# Altium PCB PCB1.PcbDoc (part 2 of 3)
Units mm, origin at the board's own origin, x right, y up, seen from the top; angles counter-clockwise.
Board outline 129 x 105 mm, 2 copper layers (Top Layer, Bottom Layer); 225 components, 151 nets, 690 pads, 891 vias.
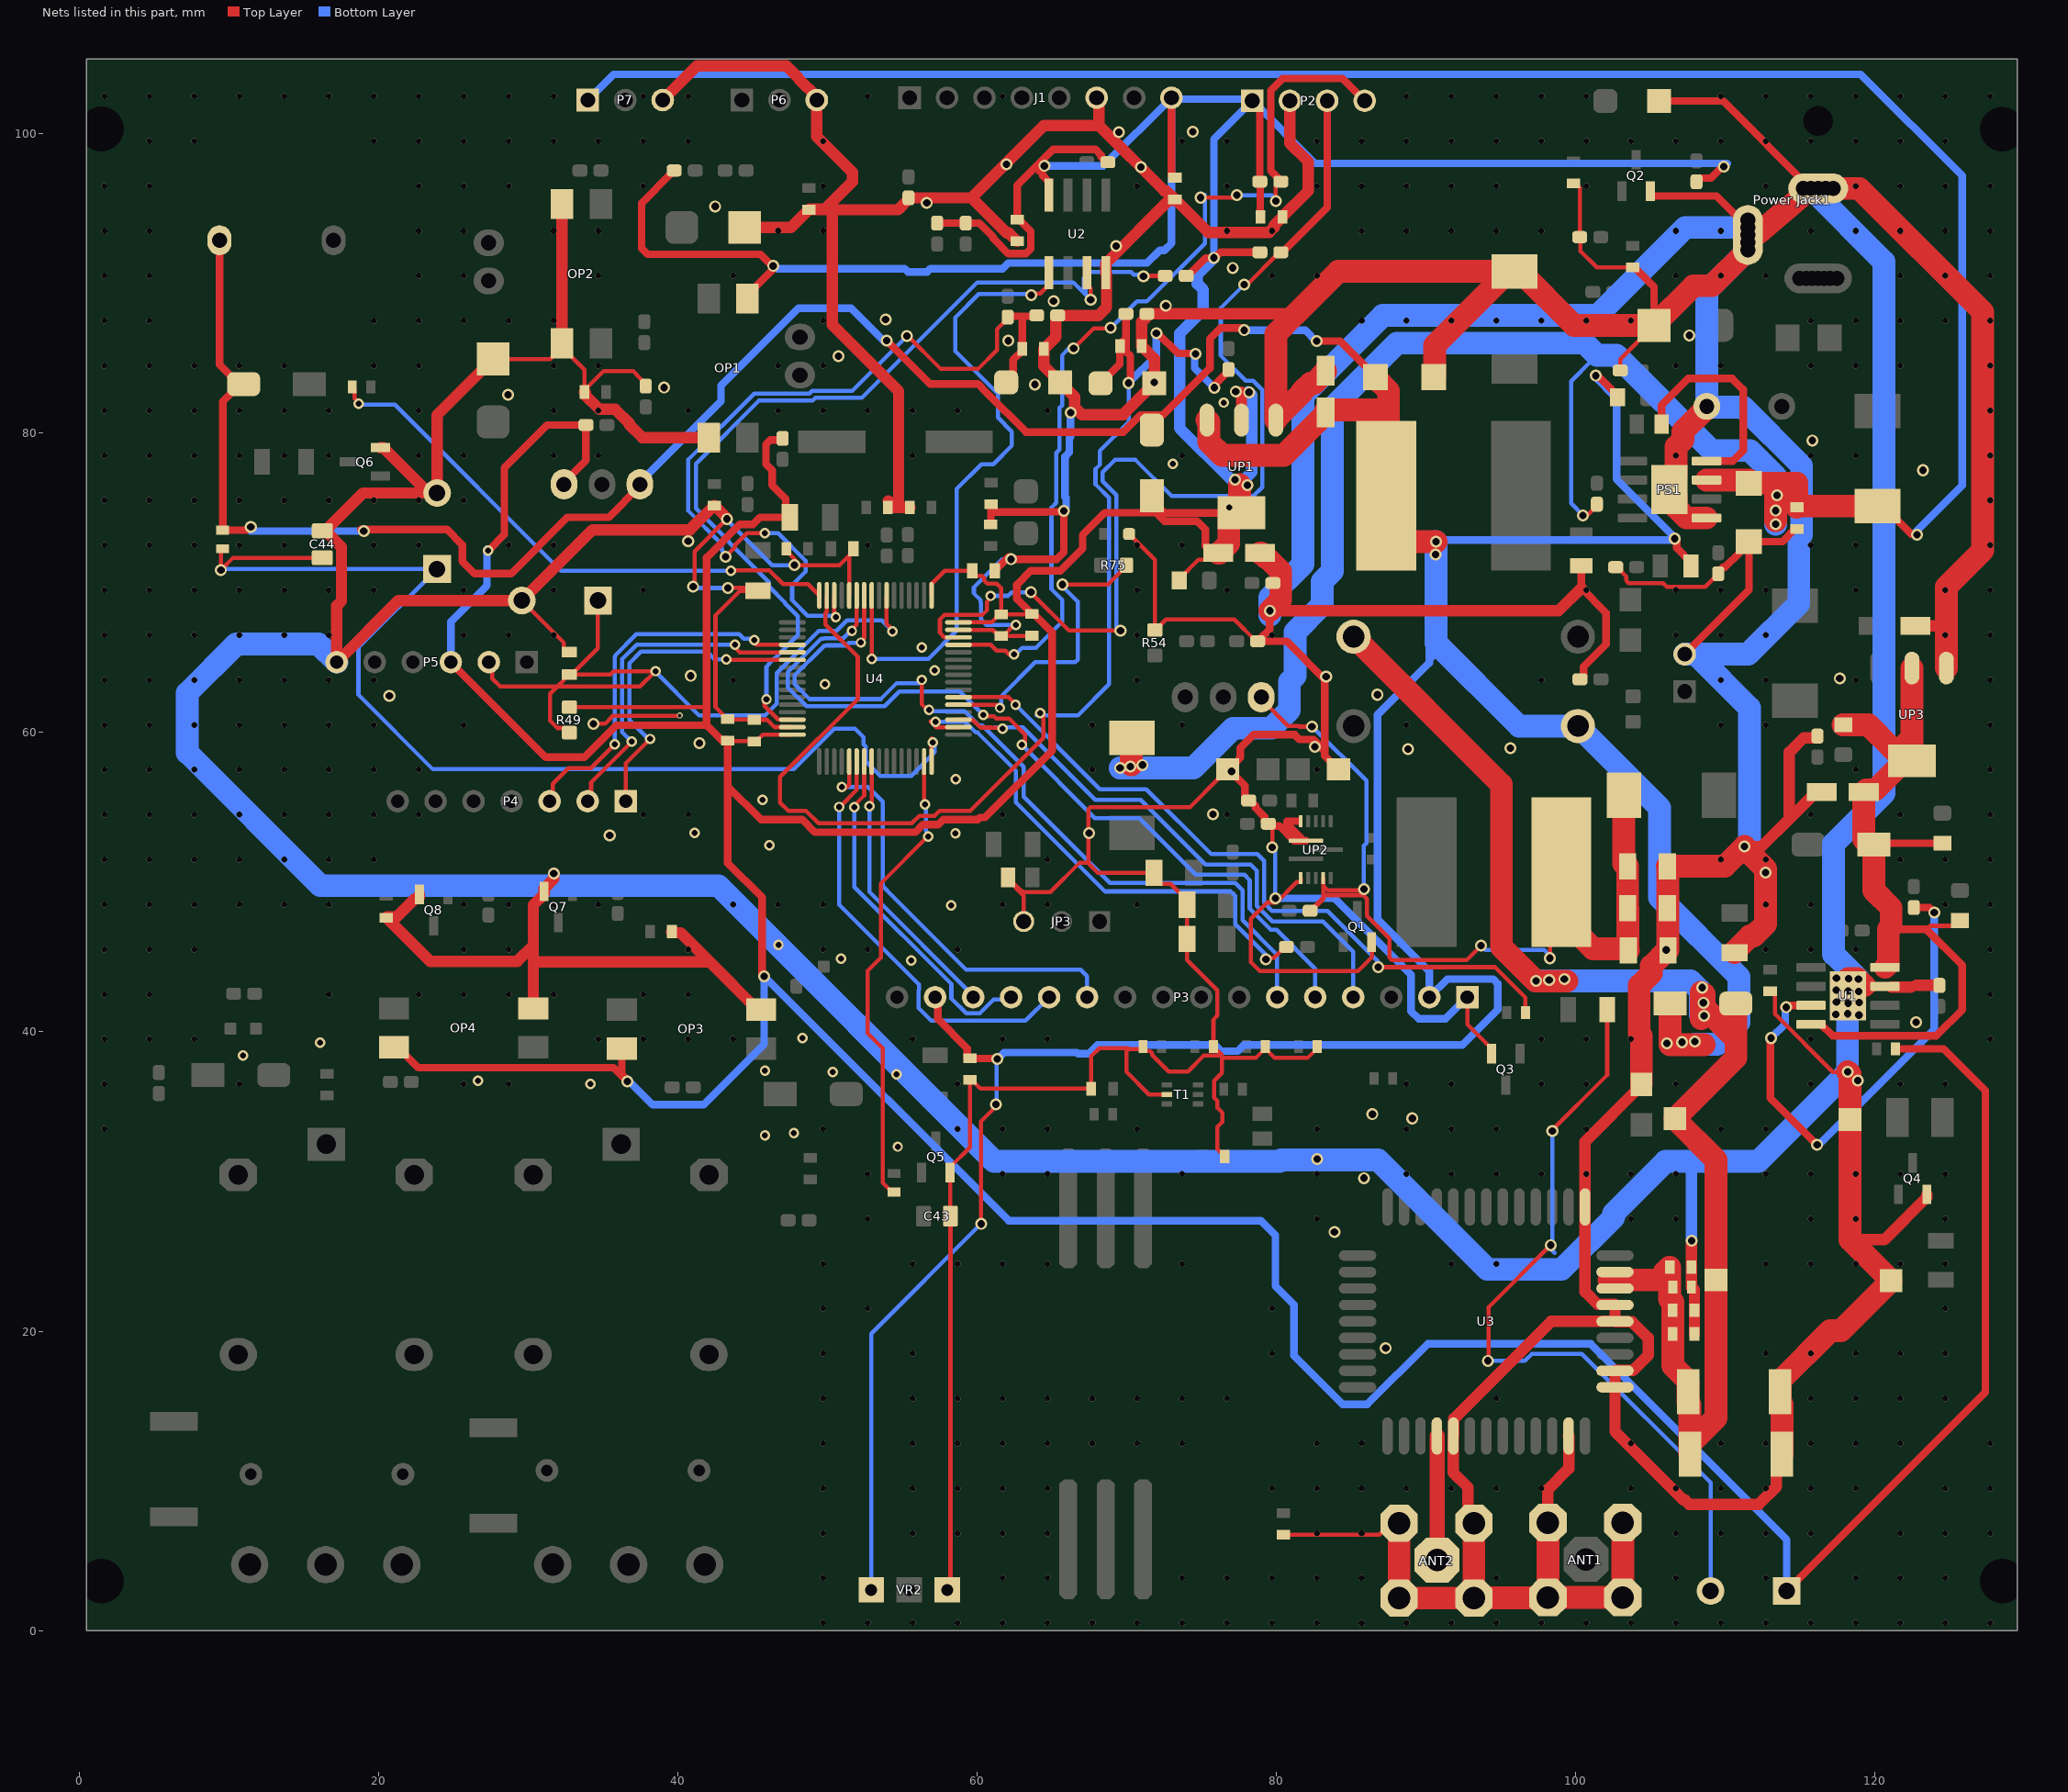
[diagram p2: the nets of this part, all layers, seen from the top]

## Via types
v1: diameter 0.4, hole 0.4, Top Layer to Bottom Layer, tented both sides, 549 vias
v2: diameter 0.8, hole 0.5, Top Layer to Bottom Layer, tented both sides, 237 vias
v3: diameter 0.7, hole 0.4, Top Layer to Bottom Layer, tented both sides, 91 vias
v4: diameter 0.5, hole 0.5, Top Layer to Bottom Layer, tented both sides, 12 vias
v5: diameter 0.4, hole 0.25, Top Layer to Bottom Layer, tented both sides, 1 vias
v6: diameter 0.4, hole 0.3, Top Layer to Bottom Layer, tented both sides, 1 vias

## Nets (pads, with @x,y where several pads share a name; then routed paths per layer and width w, separated by ;. In a path a pad name is that pad's centre, name@x,y a point inside that pad or via, vN(x,y) a via of type N, cw(c..) or ccw(c..) an arc to the next point about the centre after c; other vN are vias at no path point) (continued)
+3V3: B1.1 C7.2 C26.2 C27.2 C28.2 C45.2 C46.2 C47.2 C48.2 C49.2 D1.1 D2.1 J1.8 JP5.2 L3.2 OP1.1 OP3.4 OP4.4 P2.1 P5.3 R19.1 R27.2 R28.2 R29.1 R30.2 R32.1 R33.1 R34.2 R49.2 R57.2 R59.2 R61.2 U2.8 U4.1 U4.32 U4.64 UP1.2 UP1.4 | length 549.2
  Top Layer w0.279: R49.2@32.766,61.683 41.896,61.683 41.935,61.722 ; C47.2@43.332,59.448 43.358,59.422 45.085,59.422 C46.2@45.11,59.397 45.235,59.397 45.69,59.852 U4.32@47.663,59.852 ; U4.1@56.963,69.152 56.963,69.902 57.851,70.79 C45.2@59.677,70.79 59.677,70.679 59.887,70.469 60.323,70.469 60.487,70.305 60.487,70.149 60.686,69.95 61.317,69.95 61.62,69.647 C48.2@61.62,67.883 ; U4.64@58.763,67.352 60.964,67.352 61.495,67.883 C48.2@61.62,67.883 ; C49.2@63.803,67.908 C49.2@63.678,67.908 63.665,67.895 61.633,67.895 C48.2@61.62,67.883 ; D1.1@73.524,70.155 73.524,70.255 74.792,71.523 75.66,71.523 C7.2@76.121,71.984 75.721,71.984 C7.2@75.26,72.444 ; P2.1@78.4,102.2 P2.1@78.904,101.696 ; R30.2@78.904,96.799 R30.2@78.929,96.774 ; C26.2@78.929,94.462 C26.2@78.954,94.437
  Top Layer w0.508: OP4.4@21.055,38.959 21.305,38.959 22.665,37.599 35.726,37.599 v2(36.646,36.679) 36.646,36.758 36.269,37.134 OP3.4@36.269,38.883 ; P5.3@24.841,64.694 31.191,58.344 33.757,58.344 35.89,60.477 41.935,60.477 ; v3(27.338,72.136) 28.423,73.22 28.423,77.673 31.288,80.539 R61.2@33.873,80.539 33.873,78.171 32.403,76.701 JP5.2@32.403,76.574 ; R59.2@39.773,97.539 39.673,97.539 39.527,97.393 39.527,97.293 37.592,95.358 37.592,92.329 37.984,91.937 45.528,91.937 46.302,91.163 v2(46.381,91.163) ; OP1.1@44.177,88.493 44.425,88.741 44.425,88.991 46.325,90.892 v2@46.325,91.107 ; v2@45.644,43.84 45.644,48.971 43.332,51.283 43.332,56.413 ; R57.2@47.015,79.643 46.918,79.546 46.195,79.546 45.898,79.248 45.898,77.931 46.307,77.521 46.307,76.527 47.223,75.612 47.223,74.643 L3.2@47.494,74.371 45.517,74.371 45.044,73.898 44.152,73.898 41.935,71.682 41.935,61.722 41.935,60.477 ; R27.2@57.342,94.026 R28.2@59.25,94.026 60.148,94.026 61.099,93.075 61.099,92.986 62.106,91.979 63.27,91.979 63.592,92.301 63.592,93.485 62.813,94.264 C28.2@62.688,94.264 62.688,96.546 65.091,98.949 67.913,98.949 68.296,98.566 68.296,98.441 68.642,98.095 R33.1@68.742,98.095 ; C49.2@63.678,67.908 62.662,68.924 62.662,69.875 63.591,70.805 65.583,70.805 67.065,72.287 67.065,73.194 68.548,74.676 71.958,74.676 72.517,74.117 74.701,74.117 75.26,73.558 C7.2@75.26,72.444 ; C49.2@63.803,67.908 65.024,66.687 65.024,58.801 60.534,54.311 60.201,54.311 60.068,54.178 57.76,54.178 57.422,53.841 56.397,53.841 55.892,53.336 49.16,53.336 48.317,54.178 45.568,54.178 43.332,56.413 ; 64.163,97.508 64.414,97.257 64.414,97.176 64.76,96.831 64.76,95.95 U2.8@64.806,95.904 ; D2.1@71.679,75.803 71.679,75.503 72.517,74.665 77.169,74.665 UP1.4@77.669,74.665 ; J1.8@73,102.4 73,97.166 73.103,97.063 C27.2@73.228,97.063 ; R32.1@73.979,90.5 74.079,90.5 75.281,91.702 75.819,91.702 v2(75.826,91.709) 75.905,91.709 76.271,92.075 R29.1@78.904,92.075 ; R30.2@78.904,96.799 P2.1@78.904,101.696 ; C26.2@78.929,94.462 R30.2@78.929,96.774 ; R19.1@108.077,96.785 108.077,96.885 108.223,97.031 109.055,97.031 109.813,97.789 v2(109.892,97.789) ; B1.1@114.097,2.642 127.381,15.926 127.381,36.075 124.594,38.862 R34.2@121.361,38.862 ; 41.935,60.477 42.894,59.519 43.261,59.519 C47.2@43.332,59.448 43.332,56.413
  Top Layer w0.762: v2(77.24,76.882) 77.25,76.882 77.598,76.533 78.071,76.533 v2(78.078,76.526) ; UP1.2@77.669,80.865 v2@77.669,82.723
  Top Layer w1.524: C7.2@76.121,71.984 76.197,71.984 76.831,72.618 76.831,74.327 UP1.4@77.169,74.665 ; UP1.4@77.548,74.83 77.548,76.54
  Bottom Layer w0.508: P5.3@24.841,64.694 24.841,67.393 27.254,69.806 v3@27.254,72.238 ; JP5.2@32.403,76.447 JP5.2@32.403,76.574 JP5.2@32.403,76.701 ; v2@36.678,36.83 36.678,36.779 38.329,35.128 41.732,35.128 45.785,39.181 v2(45.785,43.705) 62.109,27.381 78.969,27.381 79.934,26.416 79.934,23.012 81.178,21.768 81.178,18.364 84.43,15.113 86.081,15.113 90.119,19.152 101.016,19.152 114.097,6.071 B1.1@114.097,2.642 ; v2(46.381,91.163) 46.46,91.163 46.64,90.983 55.169,90.983 55.382,90.769 56.676,90.769 56.89,90.983 61.722,90.983 62.096,91.357 71.362,91.357 72.207,92.202 72.517,92.202 73,92.685 J1.8@73,102.4 ; v2(64.501,97.847) 68.447,97.847 J1.8@73,102.4 ; v2(75.826,91.709) 75.826,99.626 P2.1@78.4,102.2 ; v2@110.134,98.019 82.581,98.019 P2.1@78.4,102.2 ; J1.8@73,102.4 73.1,102.3 78.3,102.3 P2.1@78.4,102.2
  Bottom Layer w0.762: v2(75.826,91.709) 74.715,90.598 74.715,89.967 75.113,89.569 75.113,88.216 73.542,86.646 73.542,80.331 76.984,76.889 77.232,76.889 v2(77.24,76.882) ; 77.785,76.819 78.352,77.387 78.352,82.531 v2@78.116,82.767
  other v2: 78.18,82.723 77.291,82.774
  other v3: 76.862,75.035
+4V2: C29.+ C30.+ C31.+ C32.+ C33.2 C34.2 C35.2 C36.1 D17.2 D19.2 U3.42 U3.43 | length 98.1
  Top Layer w1.524: D19.2@85.166,66.396 95.047,56.515 95.047,45.669 97.333,43.383 v2@99.416,43.383 ; 102.235,23.417 105.953,23.417 ; 105.953,23.95 C35.2@106.285,24.282 106.285,22.149 106.488,21.946 C33.2@106.488,21.387 C34.2@106.488,19.812 106.488,17.699 107.512,16.676 C32.+@107.512,15.95 107.512,15.224 107.639,15.097 C31.+@107.639,12.51 ; C31.+@107.639,11.784 C31.+@107.639,12.51 ; v2@108.386,40.87 v2@108.386,42.623 ; 108.585,42.52 108.585,41.627 110.526,39.686 ; D17.2@110.709,41.885 110.709,38.263 C29.+@106.633,34.188 109.377,31.444 C30.+@109.377,23.418 109.377,14.204 107.695,12.522 107.651,12.522 C31.+@107.639,12.51
  Bottom Layer w1.524: v2(97.367,43.398) 107.681,43.398 108.289,42.791 v2@108.3,42.791 ; v2@108.324,41.113 108.324,42.29
  other v2: 108.589,41.073 108.539,41.937 108.462,42.953 98.231,43.449 99.247,43.525
+5V_CH: C17.2 D8.1 D10.1 D12.1 D13.1 U1.4 U1.8 UP3.2 UP3.4 | length 57.3
  Top Layer w0.279: 120.898,46.839 121.768,46.839 ; 123.439,46.839 123.677,47.077 125.319,47.077 D13.1@125.679,47.438
  Top Layer w0.508: U1.8@115.725,40.495 116.41,40.495 117.164,39.741 124.094,39.741 125.832,41.478 125.832,44.447 123.439,46.839 121.767,46.839 ; D10.1@119.929,52.502 120.027,52.6 D12.1@124.5,52.6 ; UP3.4@121.086,58.984 122.47,60.368
  Top Layer w1.524: D8.1@117.881,60.512 119.558,60.512 121.086,58.984 UP3.4@121.97,58.1 ; U1.4@120.675,44.305 120.898,44.528 120.898,46.839 121.082,47.023 121.082,48.285 119.929,49.438 D10.1@119.929,52.502 119.629,52.502 119.256,52.875 C17.2@119.256,56.007 119.418,56.169 120.039,56.169 UP3.4@121.97,58.1 ; UP3.2@122.47,64.3 122.47,60.368 UP3.4@122.47,58.1 UP3.4@121.97,58.1
+5V_SW: C2.2 C6.2 C42.2 D2.2 D3.1 D17.1 D18.1 DP1.2 JP6.2 L1.2 P3.2 P3.15 R7.2 R48.1 SP1.1 UP1.3 VR2.2 | length 346.1
  Top Layer w0.279: v2(60.277,27.164) 60.277,34.013 v2@61.417,35.154
  Top Layer w0.508: SP1.1@9.388,92.875 9.388,84.585 10.698,83.275 DP1.2@10.777,83.275 ; DP1.2@10.998,83.275 DP1.2@10.777,83.275 ; v2(11.481,73.724) 11.401,73.724 11.186,73.508 R48.1@9.601,73.508 9.601,82.099 DP1.2@10.777,83.275 ; v2@18.847,73.558 24.587,73.558 25.616,72.53 25.616,71.438 26.441,70.612 28.873,70.612 32.629,74.368 35.404,74.368 37.483,76.447 JP6.2@37.483,76.574 ; v2(53.971,86.177) 56.864,83.283 60.059,83.283 60.63,82.713 60.63,82.705 63.274,80.061 69.781,80.061 70.924,81.204 72.441,81.204 75.565,84.328 75.565,86.284 76.302,87.02 v2@77.826,87.02 ; P3.15@57.201,42.316 57.391,42.127 57.391,40.842 59.342,38.891 59.342,38.3 59.413,38.229 C42.2@59.538,38.229 59.558,38.209 61.343,38.209 v2(61.363,38.189) ; v2(82.707,86.152) 84.262,86.152 86.62,83.794 C2.2@86.62,83.744 ; v2(101.344,83.835) 101.473,83.835 102.81,82.498 D3.1@102.81,82.398 ; v2(106.614,72.944) 106.759,72.798 106.759,72.311 107.696,71.374 R7.2@107.696,71.12
  Top Layer w1.524: UP1.3@75.369,80.865 75.485,80.749 75.485,79.404 76.378,78.511 80.504,78.511 83.285,81.293 C6.2@83.285,81.369 83.285,81.445 83.381,81.54 87.173,81.54 ; C2.2@86.62,83.744 86.62,83.694 87.502,82.812 87.502,75.813 87.502,73.984 88.74,72.746 v2(90.678,72.746) ; D17.1@106.309,41.885 106.309,39.141 108.585,39.141
  Bottom Layer w0.279: VR2.2@52.934,2.718 52.934,19.837 v2@60.223,27.127 ; v2(61.268,35.139) 61.315,35.187 v2@61.315,38.141 ; 90.072,64.58 90.939,65.447
  Bottom Layer w0.508: v2@11.328,73.558 11.441,73.445 v2(19.027,73.445) ; JP6.2@37.483,76.574 37.483,76.701 42.902,82.12 42.902,83.165 48.079,88.341 51.587,88.341 v2@53.797,86.131 ; v2(61.363,38.189) 61.388,38.189 61.807,38.608 66.675,38.608 66.752,38.532 67.459,38.532 68.044,39.116 75.911,39.116 76.317,38.71 77.421,38.71 77.827,39.116 92.431,39.116 94.793,41.478 94.793,43.223 94.495,43.52 91.425,43.52 P3.2@90.221,42.316 90.221,44.044 86.763,47.501 86.763,61.183 90.221,64.641 90.221,65.964 ; v2(77.857,86.87) 81.938,86.87 v2@82.682,86.127 ; v2(90.678,72.746) 90.777,72.845 106.515,72.845 v2(106.614,72.944) 106.659,72.989 102.738,76.909 102.738,82.326 v2@101.244,83.82
  Bottom Layer w1.524: v2(90.678,72.746) 90.678,65.964 96.215,60.427 D18.1@100.152,60.427 105.61,54.969 105.61,48.974 110.922,43.663 110.922,40.64 109.449,39.167 v2@107.971,39.167
  other v2: 106.092,39.228 107.108,39.304 107.971,39.355 90.636,71.893
+12V: C4.2 C5.2 D6.2 D9.2 P7.1 PS1.7 R4.1 | length 226.9
  Top Layer w0.279: v2@100.381,74.371 100.647,74.371 101.422,75.146 R4.1@101.422,75.246
  Top Layer w0.508: D6.2@120.17,75.125 120.545,75.125 122.417,73.253 122.748,73.253 v2(122.804,73.197)
  Top Layer w1.524: v2@70.307,57.821 70.307,59.588 D9.2@70.358,59.639 ; PS1.7@108.749,76.86 111.582,76.86 C5.2@111.582,76.651 113.365,76.651 ; v2@113.365,74.143 113.365,75.839 113.365,76.651 ; D6.2@120.17,75.125 114.862,75.125 C4.2@114.783,75.045 114.783,76.651 113.365,76.651
  Bottom Layer w0.279: v2(100.494,74.496) 99.695,75.295 99.695,83.464 101.092,84.861
  Bottom Layer w0.508: P7.1@34,102.246 35.716,103.962 119.05,103.962 125.832,97.18 125.832,76.505 v2@122.664,73.337
  Bottom Layer w1.524: v2(69.561,57.618) 71.06,57.618 74.455,57.618 77.114,60.277 79.659,60.277 80.874,61.492 80.874,63.398 81.258,63.783 81.258,66.704 83.061,68.507 83.061,70.082 83.744,70.764 83.744,81.686 88.062,86.004 100.615,86.004 101.422,85.197 102.719,85.197 109.086,78.831 111.648,78.831 113.371,77.107 v2(113.371,74.817) v2(113.371,73.903)
  other v2: 70.247,57.72 71.06,57.821 113.447,75.839
BAT_VOLTAGE: C21.2 D15.2 R21.2 R24.1 U4.15 | length 86.3
  Top Layer w0.279: U4.15@49.963,69.152 49.959,69.148 49.959,68.068 49.875,67.983 49.875,67.216 52.036,65.055 52.036,62.221 46.838,57.023 46.838,55.321 47.387,54.772 48.563,54.772 49.406,53.929 55.646,53.929 56.151,54.434 57.176,54.434 57.514,54.772 59.568,54.772 64.43,59.634 v3@64.43,61.392
  Top Layer w0.508: D15.2@68.253,83.314 69.541,84.602 69.541,85.802 C21.2@69.553,85.814 69.553,85.939 69.953,86.339 ; R24.1@69.953,87.964 69.953,86.339 ; v2@70.206,83.464 70.249,83.508 70.249,85.151 69.953,85.447 69.953,86.339 ; v2@72.009,86.741 73.437,85.313 74.574,85.313 v2(74.599,85.289) ; v2@75.87,83.033 75.87,83.203 76.81,84.143 R21.2@76.81,84.243
  Bottom Layer w0.279: v3@63.983,61.138 66.751,61.138 68.834,63.221 68.834,75.663 67.918,76.579 67.918,77.588 68.199,77.869 68.199,78.791 70.137,80.729 v2(70.137,83.34)
  Bottom Layer w0.508: v2(70.137,83.34) 71.986,85.189 v2(71.986,86.659) ; v2@74.549,85.166 74.549,84.336 v2(75.854,83.031)
  other v3: 64.219,61.284
Boost_IN: C9.2 C10.2 C11.2 D7.2 JP2.1 L2.1 R10.1 UP2.12 | length 67.6
  Top Layer w0.279: JP2.1@78.994,62.357 78.994,62.23 80.788,60.436 81.484,60.436 81.533,60.386 v2(82.381,60.386) ; 83.136,49.74 83.136,48.858 82.359,48.082 R10.1@82.259,48.082 83.086,48.908 83.309,49.132 85.81,49.132 86.06,48.882 86.06,47.732 87.554,46.238 87.554,44.962 87.717,44.798 92.726,44.798 v2(93.684,45.755) ; UP2.12@83.136,50.267 83.148,50.254 83.148,49.74 83.435,49.454 v2@86.004,49.454 ; v2(98.281,44.917) 98.281,49.907 L2.1@99.042,50.667
  Top Layer w1.524: L2.1@99.042,50.667 99.042,47.667 101.156,45.554 103.413,45.554 C10.2@103.501,45.466 ; D7.2@103.226,55.804 103.226,51.23 103.401,51.054 C11.2@103.475,51.054 C9.2@103.475,48.247 103.501,48.222 C10.2@103.501,45.466 ; C10.2@103.526,45.441 C10.2@103.501,45.466
  Bottom Layer w0.279: v2@82.448,60.35 86.026,56.773 86.026,52.594 85.853,52.421 v2(85.853,49.532) ; v2(93.684,45.755) 93.963,45.476 97.907,45.476 v2@98.323,45.06
BT_ANT: ANT2.2 U3.26 | length 8.3
  Top Layer w0.762: U3.26@90.731,13 U3.26@90.738,12.993 ; ANT2.2@90.738,4.713 ANT2.2@90.745,4.706
  Top Layer w1.016: ANT2.2@90.738,4.713 U3.26@90.738,12.993
BUZZER_MCU: R52.1 U4.16 | length 37.6
  Top Layer w0.279: R52.1@18.254,83.075 18.414,82.915 18.414,82.329 18.675,82.068 v3(18.675,81.954) ; v3@43.358,70.815 46.126,70.815 47.041,69.901 48.714,69.901 U4.16@49.463,69.152
  Bottom Layer w0.279: v3@18.694,81.89 21.107,81.89 32.211,70.786 v3(43.561,70.786)
CHRG: R18.2 U1.7 | length 33.1
  Top Layer w0.508: v2@113.005,39.649 113.005,35.577 v2(116.137,32.445) ; v2@113.904,41.631 114.038,41.765 U1.7@115.725,41.765 ; R18.2@122.6,48.3 123.633,48.3 v2@123.952,47.981
  Bottom Layer w0.508: v2(113.063,39.58) 114.009,40.526 114.009,41.581 v2(114.064,41.637) ; v2@116.18,32.385 123.963,40.169 v2(123.963,47.962)
COL1: P4.3 U4.20 | length 25.3
  Top Layer w0.279: P4.3@31.445,55.397 31.649,55.601 31.649,56.567 32.69,57.607 34.193,57.607 v3(35.793,59.207) ; v3@44.933,66.167 45.248,65.852 U4.20@47.663,65.852
  Bottom Layer w0.279: v3(35.793,59.207) 35.793,65.051 35.815,65.074 35.815,65.127 37.248,66.559 44.107,66.559 44.417,66.25 45.042,66.25 v3(45.122,66.169)
COL2: P4.2 U4.21 | length 23
  Top Layer w0.279: P4.2@33.985,55.397 34.219,55.631 34.219,56.657 36.933,59.372 v3(36.933,59.382) ; v3@43.79,65.71 44.148,65.352 U4.21@47.663,65.352
  Bottom Layer w0.279: v3@36.957,59.284 36.957,59.358 36.297,60.019 36.297,64.897 37.269,65.87 v3(43.822,65.87)
COL3: P4.1 U4.22 | length 22.2
  Top Layer w0.279: P4.1@36.525,55.397 36.525,57.933 v3(38.152,59.56) ; v3@43.104,64.872 43.124,64.852 U4.22@47.663,64.852
  Bottom Layer w0.279: v3@38.176,59.461 38.148,59.461 36.776,60.833 36.776,64.618 37.549,65.39 41.961,65.39 42.465,64.886 v3(43.24,64.886)
EN_CTL_3429: R11.2 U4.50 | length 34.8
  Top Layer w0.279: v3@56.896,60.736 57.28,60.352 U4.50@58.763,60.352 ; v2(79.308,44.836) 79.408,44.935 79.848,44.935 80.582,45.669 R11.2@80.682,45.669
  Bottom Layer w0.279: v3(57.226,60.713) 59.206,60.713 59.927,59.992 60.041,59.992 62.611,57.422 62.611,55.321 68.555,49.378 76.959,49.378 77.264,49.073 77.264,47.196 v2@79.413,45.047
FLASH_CS: U2.1 U4.9 | length 43.2
  Top Layer w0.279: v3@52.959,64.948 52.963,64.952 U4.9@52.963,69.152 ; v2(63.634,89.216) 63.734,89.316 64.217,89.316 64.806,89.904 U2.1@64.806,90.704
  Bottom Layer w0.279: v3(52.963,64.911) 56.759,64.911 58.649,66.8 58.649,76.272 60.297,77.92 61.095,77.92 62.332,79.157 62.332,80.099 61.395,81.035 61.395,82.623 58.562,85.456 58.562,87.722 60.121,89.281 v2@63.678,89.281
FLASH_WP: R32.2 U2.3 U4.30 | length 62.8
  Top Layer w0.279: v3@45.796,62.179 45.796,61.776 46.717,60.856 47.659,60.856 U4.30@47.663,60.852 ; U2.3@67.346,90.704 67.346,89.904 67.598,89.652 v2(67.598,88.903) ; v2@71.095,90.399 71.196,90.5 R32.2@72.579,90.5
  Bottom Layer w0.279: v3(45.932,62.205) 45.932,64.397 46.13,64.595 46.13,64.638 46.41,64.919 46.453,64.919 48.031,66.497 48.031,67.768 47.18,68.62 47.18,68.67 46.101,69.748 46.101,70.036 43.431,72.706 43.431,72.766 41.224,74.973 41.224,77.953 45.432,82.161 49.007,82.161 49.193,82.347 52.299,82.347 60.02,90.068 66.432,90.068 67.251,89.25 ; v2(67.598,88.903) 67.251,89.25 ; v2(71.125,90.467) 71.025,90.567 70.487,90.567 70.303,90.751 67.535,90.751 67.132,90.348 67.132,89.747 67.251,89.628 67.251,89.25
GND: "Power Jack1.2" "Power Jack1.3" ANT1.1 ANT2.1 B2.2 B3.2 C2.1 C4.1 C5.1 C6.1 C7.1 C9.1 C10.1 C11.1 C12.1 C13.1 C14.1 C15.1 C16.1 C17.1 C18.1 C20.1 C21.1 C22.1 C23.1 C24.1 C25.1 C26.1 C27.1 C28.1 C29.- C30.- C31.- C32.- C33.1 C34.1 C35.1 C36.2 C37.1 C38.1 C39.1 C41.2 C42.1 C43.1 C44.1 C45.1 C46.1 C47.1 C48.1 C49.1 C50.1 C51.1 C52.1 C53.1 C54.1 C55.1 C56.1 C57.1 C58.1 C59.1 C64.1 C65.1 C66.1 D4.1 D5.1 D14.1 D15.1 D16.1 D20.1 D21.1 D24.2 J1.6 JP3.3 OP1.3 OP2.2 OP2.3 OP3.2 OP4.2 P1.2 P2.2 P3.1 P5.6 P6.3 P7.3 PS1.5 PS1.9 Q1.2 Q2.2 Q3.2 Q4.2 Q5.2 Q6.2 Q7.2 Q8.2 R1.2 R2.2 R3.2 R5.2 R6.2 R8.1 R9.2 R13.1 R15.1 R16.2 R23.2 R24.2 R25.2 R26.1 R31.1 R40.1 R43.1 R44.1 R45.1 R46.1 R54.2 R64.1 T1.2 U1.3 U1.9 U2.4 U3.1 U3.27 U3.34 U3.36 U3.37 U3.40 U3.41 U4.12 U4.31 U4.63 UP1.1 UP2.6 UP2.7 UP2.9 UP3.1 VR1.1 VR2.1 | length 1326
  Top Layer w0.279: D21.1@27.673,84.939 31.473,84.939 OP2.3@32.273,85.739 ; B3.2@29.591,68.809 32.406,65.994 32.406,65.578 32.616,65.368 C66.1@32.766,65.368 ; OP2.3@32.273,85.989 OP2.3@32.273,85.739 ; C59.1@33.773,82.739 C59.1@33.773,82.864 ; v2(34.376,60.573) 35.146,60.573 35.644,61.071 ; 35.644,61.096 v5@40.04,61.096 ; R64.1@37.873,83.139 37.873,83.272 37.254,83.89 37.254,83.929 37.033,84.15 35.059,84.15 C59.1@33.773,82.864 ; v5@40.04,61.071 v5@40.081,61.112 ; v2@41.123,69.571 41.123,72.095 v2(43.286,74.258) ; v2(43.358,69.655) 45.174,69.655 C52.1@45.364,69.465 44.167,69.465 42.529,67.827 42.529,61.701 43.022,61.208 43.022,61.083 43.207,60.898 C47.1@43.332,60.898 43.358,60.872 45.085,60.872 C46.1@45.11,60.847 45.98,60.847 46.471,60.356 47.659,60.356 U4.31@47.663,60.352 ; C50.1@47.256,72.263 47.256,72.138 47.803,71.591 v2(47.803,71.171) 50.811,71.171 C51.1@51.463,71.823 ; U4.12@51.463,69.152 C51.1@51.463,71.823 ; C51.1@51.753,72.263 51.753,72.113 C51.1@51.463,71.823 ; VR2.1@58.014,2.718 58.228,2.932 C43.1@58.228,27.686 58.215,27.699 58.215,30.585 Q5.2@58.202,30.598 58.202,30.948 59.538,32.284 C42.1@59.538,36.779 59.663,36.779 60.247,36.195 C37.1@67.64,36.195 67.64,38.379 68.174,38.913 70.076,38.913 70.141,38.848 ; U4.63@58.763,66.852 61.076,66.852 61.495,66.433 C48.1@61.62,66.433 61.745,66.433 C48.1@61.758,66.445 ; v3(62.599,67.174) 62.487,67.174 C48.1@61.758,66.445 ; JP3.3@63.119,47.371 63.119,49.089 62.065,50.142 R40.1@62.065,50.317 63.005,49.378 63.05,49.378 63.1,49.328 64.898,49.328 66.877,51.307 67.387,51.307 67.437,51.257 ; C49.1@63.678,66.458 63.665,66.445 C48.1@61.758,66.445 ; D24.2@70.167,73.254 71.882,71.539 R54.2@71.882,66.839 71.932,66.839 72.631,67.539 77.206,67.539 78.654,66.091 R15.1@78.754,66.091 ; R46.1@71.095,39.014 R46.1@71.095,38.889 ; T1.2@72.695,35.814 71.501,35.814 69.977,37.338 69.977,38.684 70.141,38.848 ; 76.326,38.366 76.365,38.327 ; C38.1@76.544,31.674 76.544,31.799 76.359,31.984 76.237,31.984 76.073,32.148 76.073,33.663 76.39,33.98 76.39,34.593 76.073,34.91 76.073,35.383 75.853,35.604 75.853,36.735 76.365,37.247 76.365,38.327 ; C18.1@76.755,57.531 76.705,57.531 76.12,56.946 76.12,56.896 74.241,55.016 67.601,55.016 67.437,54.853 67.437,51.257 ; R44.1@79.265,39.014 R44.1@79.265,38.889 ; R13.1@79.622,53.753 79.732,53.643 v2(79.732,52.316) ; C39.1@80.467,6.399 86.894,6.399 87.662,7.166 ANT2.1@88.205,7.166 ; UP2.9@81.636,50.267 81.636,50.013 81.623,50 81.369,50 80.01,48.641 79.4,48.641 78.308,47.549 78.308,44.653 78.918,44.044 85.446,44.044 86.397,44.995 86.397,45.964 Q1.2@86.37,45.991 ; R43.1@82.728,39.014 82.728,38.889 82.088,38.25 79.905,38.25 R44.1@79.265,38.889 ; P3.1@92.761,42.316 92.761,40.506 94.376,38.89 Q3.2@94.376,38.54 ; C22.1@99.847,96.685 99.972,96.685 100.276,96.381 R25.2@100.276,93.091 100.33,93.037 100.33,92.151 101.411,91.071 C23.1@103.81,91.071 ; R8.1@102.678,71.044 102.745,71.044 103.378,70.411 103.378,70.142 103.542,69.978 105.841,69.978 106.096,69.723 108.65,69.723 109.202,70.275 109.269,70.275 109.525,70.53 R6.2@109.525,70.598 ; R3.2@102.983,84.176 102.983,84.941 D4.1@105.24,87.198 ; C25.1@113,42.7 113.125,42.7 113.31,42.515 113.31,41.188 117.177,37.322 v2(118.19,37.322) ; OP2.3@32.273,85.739 33.773,84.239 C59.1@33.773,82.864 ; 67.437,51.257 68.072,50.622 C14.1@71.827,50.622 71.827,50.322 72.262,49.887 72.943,49.887 74.037,48.793 C13.1@74.037,46.203 74.037,44.801 76.071,42.768 76.071,41.088 75.802,40.819 R45.1@75.802,39.014 75.802,38.889 75.962,38.729 76.087,38.729 76.365,38.452 76.365,38.405 ; 70.141,38.848 71.053,38.848 R46.1@71.095,38.889 ; R46.1@71.095,38.889 71.255,38.729 71.536,38.729 71.699,38.565 71.699,38.449 72.807,37.341 74.089,37.341 75.153,38.405 76.365,38.405 ; 76.365,38.327 76.442,38.25 78.625,38.25 R44.1@79.265,38.889 ; 76.365,38.327 76.365,38.405